# Altium PCB UmTRXv21.PcbDoc (part 15 of 19)
Units mm, origin at the board's own origin, x right, y up, seen from the top; angles counter-clockwise.
Board outline 159.5 x 99.5 mm, 6 copper layers (Top Layer, GND, MidLayer1, Mid-Layer 2, InternalPlane2, Bottom Layer), stack 1.526 mm thick; 716 components, 578 nets, 2850 pads, 1402 vias.
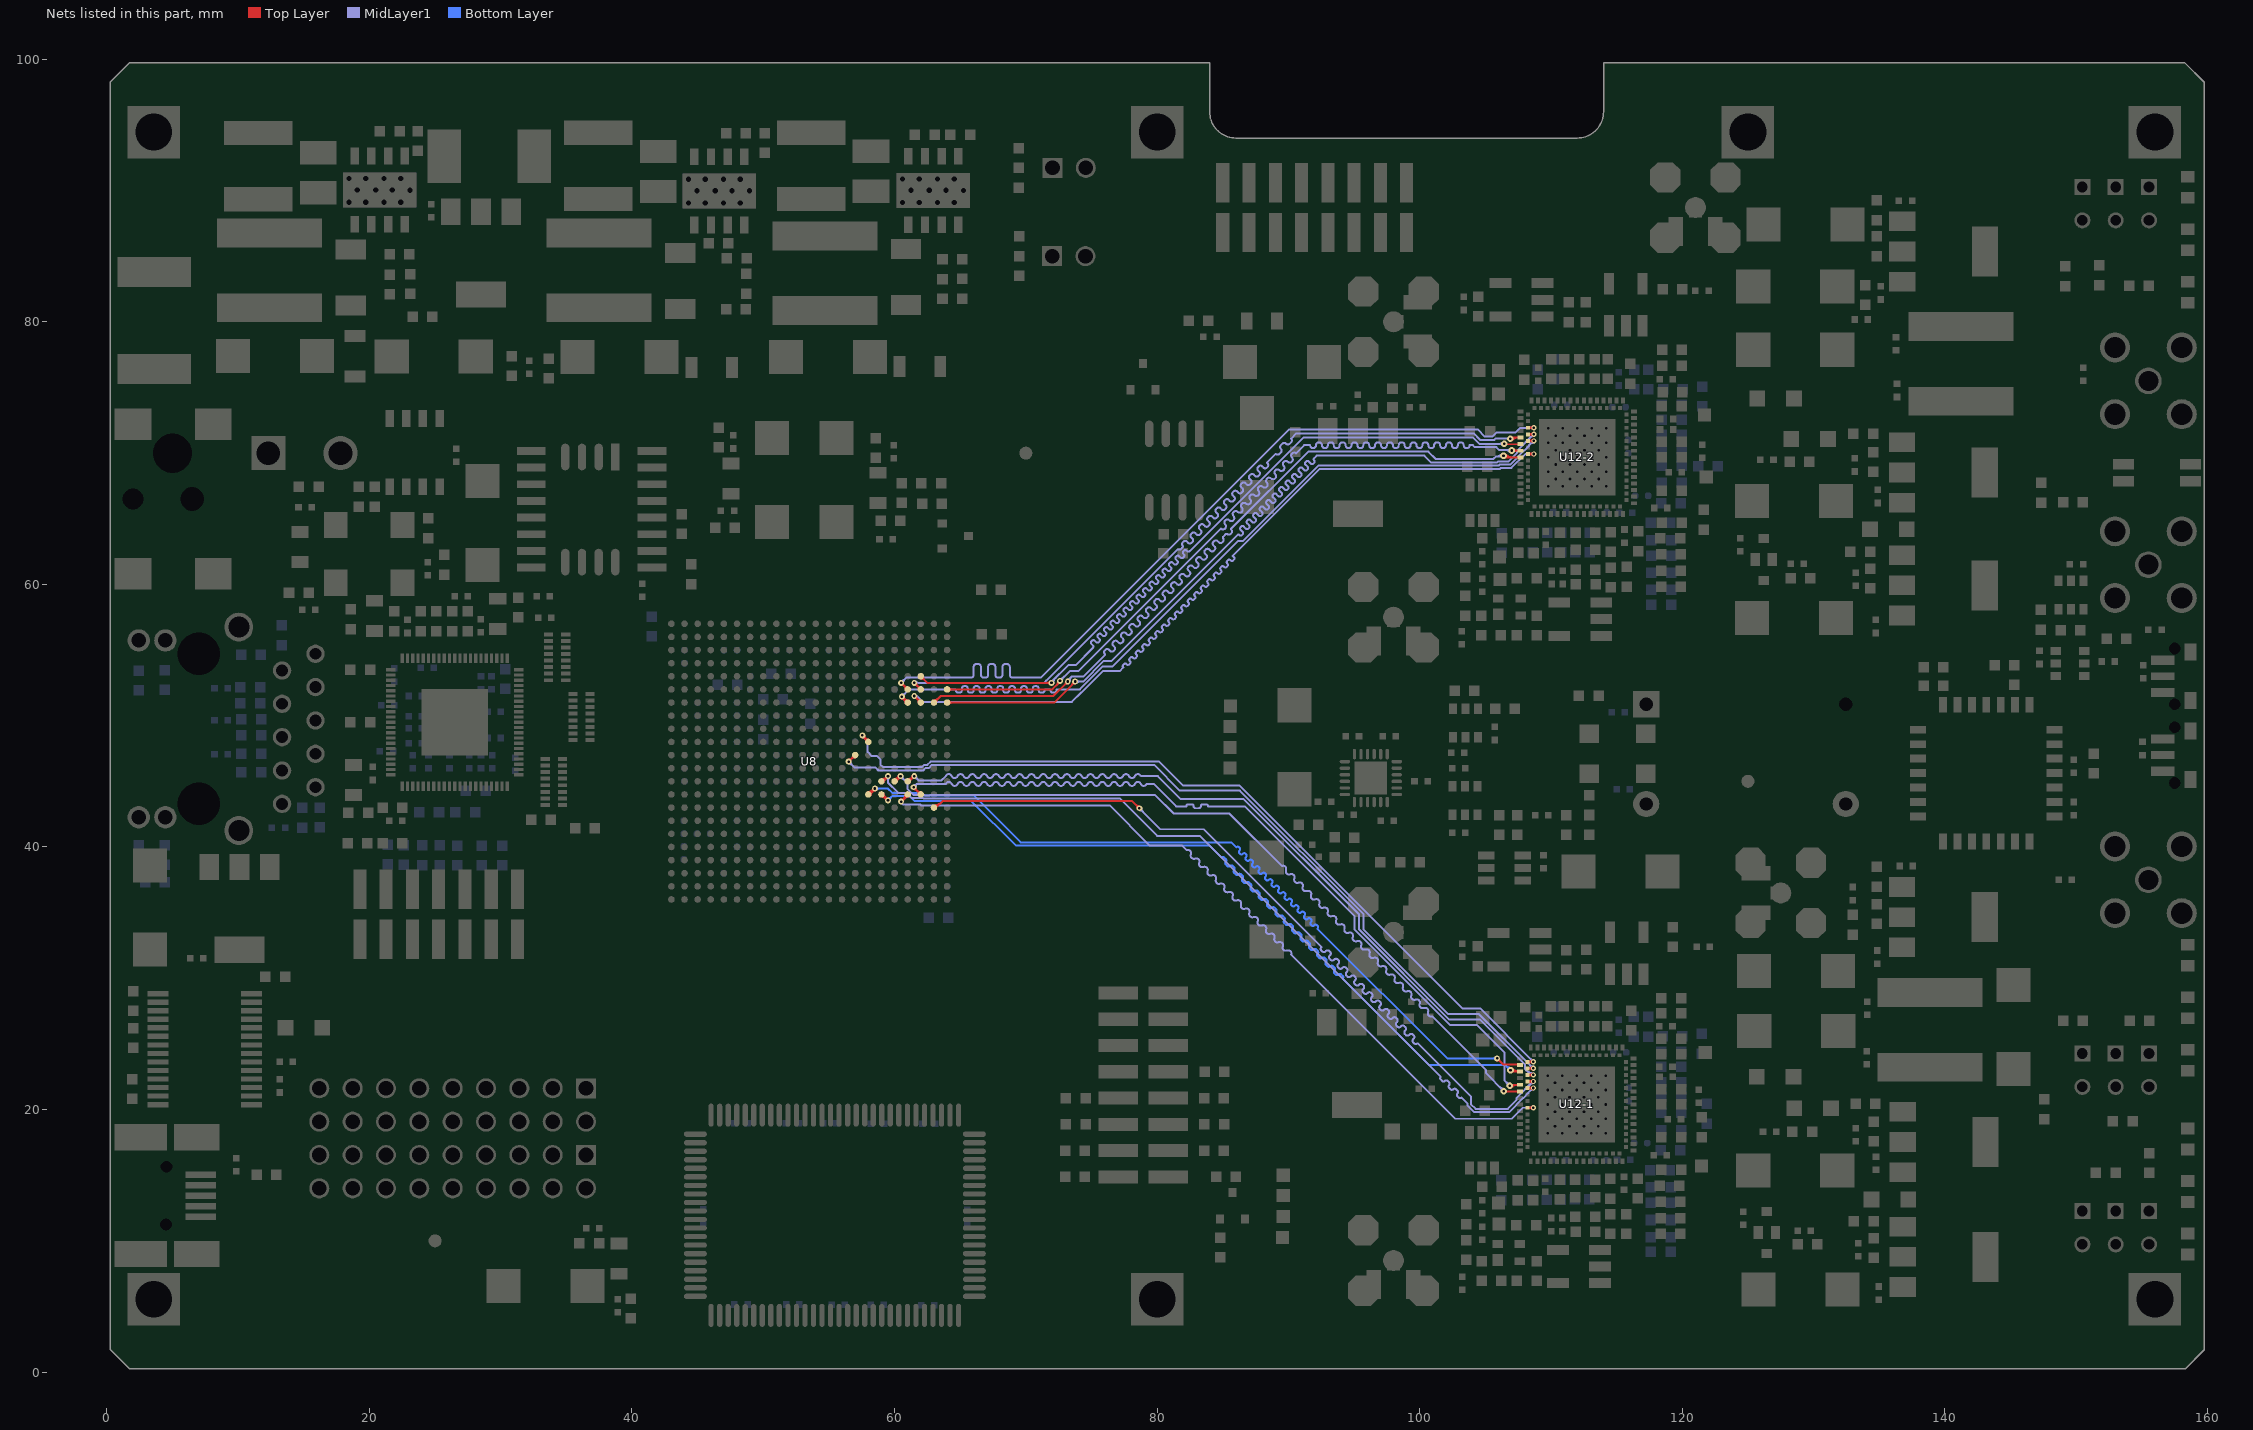
[diagram p19: the nets of this part, all layers, seen from the top]

## Via types
v1: diameter 0.45, hole 0.2, Top Layer to Bottom Layer, tented both sides, 440 vias
v2: diameter 0.5, hole 0.2, Top Layer to Bottom Layer, tented both sides, 423 vias
v3: diameter 0.7, hole 0.3, Top Layer to Bottom Layer, tented both sides, 257 vias
v4: diameter 0.4, hole 0.2, Top Layer to Bottom Layer, tented both sides, 197 vias
v5: diameter 0.8, hole 0.3, Top Layer to Bottom Layer, tented both sides, 63 vias
v6: diameter 0.6, hole 0.25, Top Layer to Bottom Layer, tented both sides, 16 vias
v7: diameter 0.6, hole 0.3, Top Layer to Bottom Layer, tented both sides, 4 vias
v8: diameter 1, hole 0.5, Top Layer to Bottom Layer, tented both sides, 2 vias

## Nets (pads, with @x,y where several pads share a name; then routed paths per layer and width w, separated by ;. In a path a pad name is that pad's centre, name@x,y a point inside that pad or via, vN(x,y) a via of type N, cw(c..) or ccw(c..) an arc to the next point about the centre after c; other vN are vias at no path point) (continued)
RX1D3: U8.K6 U12-1.10 | length 67
  Top Layer w0.15: U8.K6@59,45 59.1,45 v1(59.5,45.4) ; U8.K6@59,45.175 ccw(c59,45.839) v1@59.469,45.369 ; U8.K6@59.001,45.025 ccw(c59.015,45.302) 59.255,45.163 ; U8.K6@59.045,45.169 ccw(c59.152,45.568) 59.359,45.21 ; U8.K6@59.081,45.155 ccw(c59.152,45.29) 59.284,45.214 ; U8.K6@59.094,45.148 ccw(c59.172,45.272) 59.245,45.145 ccw(c59.316,45.022) U8.K6@59.175,45.012 ; U8.K6@59.169,44.955 cw(c59.586,44.843) v1@59.37,45.217 ; U8.K6@59.175,45 cw(c59.356,45) 59.228,45.128 ; v1@59.35,45.4 cw(c58.988,45.4) 59.244,45.144 cw(c59.5,44.888) v1@59.5,45.25
  Top Layer w0.2: U12-1.10@108.207,21.638 v4@108.632,21.638 ; v4@108.586,21.567 ccw(c108.416,21.397) 108.416,21.638 ccw(c108.416,21.879) v4@108.586,21.709
  MidLayer1 w0.15: v1@59.394,45.294 cw(c59.138,45.038) 59.5,45.038 cw(c59.862,45.038) v1@59.606,45.294 ; v1(59.5,45.4) 59.5,44.899 60.274,44.125 60.92,44.125 61.32,43.725 62.17,43.725 62.22,43.675 62.78,43.675 62.805,43.7 77.15,43.7 80,40.85 83.25,40.85 101.6,22.5 ccw(c101.706,22.394) 101.6,22.288 101.706,22.182 ccw(c101.812,22.288) 101.918,22.182 cw(c102.024,22.076) 102.13,22.182 102.236,22.076 cw(c102.13,21.97) 102.236,21.864 ccw(c102.342,21.758) 102.236,21.652 102.342,21.545 ccw(c102.448,21.652) 102.555,21.545 cw(c102.661,21.439) 102.767,21.545 102.873,21.439 cw(c102.767,21.333) 102.873,21.227 ccw(c102.979,21.121) 102.873,21.015 102.979,20.909 ccw(c103.085,21.015) 103.191,20.909 103.643,20.457 103.643,20.304 104.145,19.801 106.808,19.801 107.895,20.888 107.907,20.888 108.282,21.263 ; 108.282,21.293 108.627,21.638 v4(108.657,21.638) ; 108.392,21.403 cw(c108.657,21.138) v4@108.657,21.513 ; 108.465,21.476 ccw(c108.303,21.638) v4@108.532,21.638
RX1D4: U8.K5 U12-1.11 | length 66.4
  Top Layer w0.15: U8.K5@59.988,45.175 ccw(c59.959,45.585) v1@60.316,45.379 ; U8.K5@60,45 60.45,45.45 v1(60.45,45.4) ; U8.K5@60,45.175 ccw(c60,45.597) 60.299,45.299 ccw(c60.597,45) U8.K5@60.175,45 ; U8.K5@60.034,45.172 ccw(c60.074,45.375) 60.254,45.271 ; U8.K5@60.045,45.169 ccw(c60.12,45.446) 60.263,45.198 ; U8.K5@60.109,45.109 cw(c60.45,44.767) v1@60.45,45.25 ; U8.K5@60.174,44.982 cw(c60.518,44.946) v1@60.345,45.245 ; 60.229,45.229 ccw(c60.059,45.4) v1@60.3,45.4 ; v2(106.411,21.408) 106.436,21.383 107.627,21.383 U12-1.11@107.632,21.388
  MidLayer1 w0.15: v1@60.45,45.25 cw(c60.45,44.888) 60.706,45.144 cw(c60.962,45.4) v1@60.6,45.4 ; v1(60.45,45.4) 61,44.85 61,44.399 61.424,43.975 62.274,43.975 62.324,43.925 62.676,43.925 62.701,43.95 79.85,43.95 81.25,42.55 85.5,42.55 89.495,38.555 cw(c89.588,38.33) 89.813,38.237 ccw(c90.038,38.144) 90.131,37.919 cw(c90.224,37.693) 90.449,37.601 ccw(c90.675,37.508) 90.768,37.282 cw(c90.86,37.057) 91.086,36.964 ccw(c91.311,36.871) 91.404,36.646 cw(c91.497,36.421) 91.722,36.328 ccw(c91.948,36.235) 92.04,36.01 cw(c92.133,35.784) 92.359,35.691 ccw(c92.584,35.599) 92.677,35.373 cw(c92.77,35.148) 92.995,35.055 ccw(c93.22,34.962) 93.313,34.737 cw(c93.406,34.511) 93.631,34.419 ccw(c93.857,34.326) 93.95,34.1 cw(c94.042,33.875) 94.268,33.782 ccw(c94.493,33.689) 94.586,33.464 cw(c94.679,33.239) 94.904,33.146 ccw(c95.13,33.053) 95.222,32.828 cw(c95.315,32.602) 95.541,32.509 ccw(c95.766,32.417) 95.859,32.191 cw(c95.952,31.966) 96.177,31.873 ccw(c96.402,31.78) 96.495,31.555 cw(c96.588,31.329) 96.813,31.237 ccw(c97.039,31.144) 97.132,30.918 cw(c97.224,30.693) 97.45,30.6 ccw(c97.675,30.507) 97.768,30.282 cw(c97.861,30.057) 98.086,29.964 ccw(c98.312,29.871) 98.404,29.646 cw(c98.497,29.42) 98.723,29.327 ccw(c98.948,29.235) 99.041,29.009 cw(c99.134,28.784) 99.359,28.691 ccw(c99.584,28.598) 99.677,28.373 cw(c99.77,28.147) 99.995,28.055 ccw(c100.221,27.962) 100.314,27.736 cw(c100.406,27.511) 100.632,27.418 ccw(c100.857,27.325) 100.95,27.1 105.05,23 105.05,22.769 v2(106.411,21.408) ; v2@106.236,21.408 ccw(c105.814,21.408) 106.112,21.707 ccw(c106.411,22.006) v2@106.411,21.583
RX1D5: U8.H2 U12-1.8 | length 65.9
  Top Layer w0.15: U8.H2@63,43 63.15,43 63.65,43.5 78.1,43.5 v1(78.65,42.95) ; U8.H2@63,43.025 ccw(c63,43.447) 63.299,43.149 ; U8.H2@63,43.175 ccw(c63,43.96) 63.555,43.405 ; v1@78.5,42.95 ccw(c78.138,42.95) 78.394,43.206 ccw(c78.65,43.462) v1@78.65,43.1
  Top Layer w0.2: U12-1.8@108.207,22.138 v4@108.632,22.138 ; v4@108.586,22.067 ccw(c108.416,21.897) 108.416,22.138 ccw(c108.416,22.379) v4@108.586,22.209
  MidLayer1 w0.15: v1@78.65,42.8 cw(c78.65,42.438) 78.906,42.694 cw(c79.162,42.95) v1@78.8,42.95 ; v1(78.65,42.95) 80.25,41.35 83.55,41.35 92.508,32.392 cw(c92.494,32.378) 92.508,32.363 ccw(c92.635,32.236) 92.508,32.109 92.572,32.045 ccw(c92.699,32.173) 92.826,32.045 92.841,32.059 92.855,32.074 cw(c92.982,31.946) 93.109,32.074 93.173,32.01 cw(c93.046,31.883) 93.173,31.755 93.159,31.741 93.145,31.727 ccw(c93.272,31.6) 93.145,31.473 93.208,31.409 ccw(c93.336,31.536) 93.463,31.409 93.477,31.423 93.491,31.437 cw(c93.618,31.31) 93.746,31.437 93.809,31.374 cw(c93.682,31.246) 93.809,31.119 93.795,31.105 93.781,31.091 ccw(c93.908,30.963) 93.781,30.836 93.845,30.773 ccw(c93.972,30.9) 94.099,30.773 94.113,30.787 94.127,30.801 cw(c94.255,30.674) 94.382,30.801 94.446,30.737 cw(c94.318,30.61) 94.446,30.483 94.432,30.468 94.417,30.454 ccw(c94.545,30.327) 94.417,30.2 94.481,30.136 ccw(c94.608,30.263) 94.736,30.136 94.75,30.15 94.764,30.164 cw(c94.891,30.037) 95.018,30.164 95.082,30.101 cw(c94.955,29.973) 95.082,29.846 95.068,29.832 95.054,29.818 ccw(c95.181,29.691) 95.054,29.563 95.117,29.5 ccw(c95.245,29.627) 95.372,29.5 95.386,29.514 95.4,29.528 cw(c95.528,29.401) 95.655,29.528 95.718,29.464 cw(c95.591,29.337) 95.718,29.21 95.704,29.196 95.69,29.182 ccw(c95.817,29.054) 95.69,28.927 95.754,28.863 ccw(c95.881,28.991) 96.008,28.863 96.023,28.877 96.037,28.892 cw(c96.164,28.764) 96.291,28.892 96.355,28.828 cw(c96.228,28.701) 96.355,28.573 96.341,28.559 96.327,28.545 ccw(c96.454,28.418) 96.327,28.291 96.39,28.227 ccw(c96.518,28.354) 96.645,28.227 96.659,28.241 96.673,28.255 cw(c96.8,28.128) 96.928,28.255 96.991,28.192 cw(c96.864,28.064) 96.991,27.937 96.977,27.923 96.963,27.909 ccw(c97.09,27.781) 96.963,27.654 97.027,27.591 ccw(c97.154,27.718) 97.281,27.591 97.295,27.605 97.309,27.619 cw(c97.437,27.492) 97.564,27.619 97.628,27.555 cw(c97.5,27.428) 97.628,27.301 97.614,27.286 97.599,27.272 ccw(c97.727,27.145) 97.599,27.018 97.663,26.954 ccw(c97.79,27.081) 97.918,26.954 97.932,26.968 97.946,26.982 cw(c98.073,26.855) 98.2,26.982 98.264,26.919 cw(c98.137,26.792) 98.264,26.664 98.25,26.65 98.236,26.636 ccw(c98.363,26.509) 98.236,26.381 98.299,26.318 ccw(c98.427,26.445) 98.554,26.318 98.568,26.332 98.582,26.346 cw(c98.71,26.219) 98.837,26.346 98.9,26.282 cw(c98.773,26.155) 98.9,26.028 98.886,26.014 98.872,26 ccw(c98.999,25.872) 98.872,25.745 98.936,25.681 ccw(c99.063,25.809) 99.19,25.681 99.205,25.695 99.219,25.71 cw(c99.346,25.582) 99.473,25.71 99.537,25.646 cw(c99.41,25.519) 99.537,25.391 99.523,25.377 99.509,25.363 ccw(c99.636,25.236) 99.509,25.109 99.572,25.045 ccw(c99.699,25.172) 99.827,25.045 cw(c99.841,25.031) 99.855,25.045 103.893,21.007 103.893,20.407 104.249,20.051 106.705,20.051 107.386,20.732 107.386,20.897 108.627,22.138 v4(108.657,22.138) ; 108.392,21.903 cw(c108.657,21.638) v4@108.657,22.013 ; 108.465,21.976 ccw(c108.303,22.138) v4@108.532,22.138
RX1D6: U8.J3 U12-1.9 | length 66.6
  Top Layer w0.15: v1@61.45,44.4 cw(c61.45,44.037) 61.706,44.294 ; v1(61.45,44.55) U8.J3@62,44 ; v1@61.6,44.55 ccw(c61.961,44.55) 61.706,44.294 ; U8.J3@61.825,44 ccw(c61.403,44) 61.701,44.299 ccw(c62,44.597) U8.J3@62,44.175 ; v2(106.861,21.808) 106.811,21.758 106.811,21.708 106.991,21.888 U12-1.9@107.632,21.888 ; v2@106.879,21.79 cw(c107.114,21.555) 107.114,21.888 ; v2@106.985,21.684 cw(c107.476,21.193) U12-1.9@107.476,21.888
  MidLayer1 w0.15: v1(61.45,44.55) 61.7,44.8 ; v1@61.452,44.7 ccw(c61.458,45.042) 61.7,44.8 ; v1@61.6,44.552 cw(c61.942,44.558) 61.7,44.8 ; v2@106.686,21.808 ccw(c106.264,21.808) 106.562,22.107 ccw(c106.861,22.406) v2@106.861,21.983 ; v2(106.861,21.808) 106.45,22.219 106.45,24.35 104.35,26.45 102.293,26.45 95.025,33.718 95.025,34.749 86.674,43.1 83.875,43.1 ccw(c83.725,43.1) 83.725,43.25 83.475,43.25 ccw(c83.475,43.1) 83.325,43.1 cw(c83.175,43.1) 83.175,42.95 82.925,42.95 cw(c82.925,43.1) 82.775,43.1 ccw(c82.625,43.1) 82.625,43.25 82.375,43.25 ccw(c82.375,43.1) 82.225,43.1 81.45,43.1 79.75,44.8 79.2,44.8 cw(c78.975,44.894) 78.75,44.8 ccw(c78.525,44.706) 78.3,44.8 cw(c78.075,44.894) 77.85,44.8 ccw(c77.625,44.706) 77.4,44.8 cw(c77.175,44.894) 76.95,44.8 ccw(c76.725,44.706) 76.5,44.8 cw(c76.275,44.894) 76.05,44.8 ccw(c75.825,44.706) 75.6,44.8 cw(c75.375,44.894) 75.15,44.8 ccw(c74.925,44.706) 74.7,44.8 cw(c74.475,44.894) 74.25,44.8 ccw(c74.025,44.706) 73.8,44.8 cw(c73.575,44.894) 73.35,44.8 ccw(c73.125,44.706) 72.9,44.8 cw(c72.675,44.894) 72.45,44.8 ccw(c72.225,44.706) 72,44.8 cw(c71.775,44.894) 71.55,44.8 ccw(c71.325,44.706) 71.1,44.8 cw(c70.875,44.894) 70.65,44.8 ccw(c70.425,44.706) 70.2,44.8 cw(c69.975,44.894) 69.75,44.8 ccw(c69.525,44.706) 69.3,44.8 cw(c69.075,44.894) 68.85,44.8 ccw(c68.625,44.706) 68.4,44.8 cw(c68.175,44.894) 67.95,44.8 ccw(c67.725,44.706) 67.5,44.8 cw(c67.275,44.894) 67.05,44.8 ccw(c66.825,44.706) 66.6,44.8 cw(c66.375,44.894) 66.15,44.8 ccw(c65.925,44.706) 65.7,44.8 cw(c65.475,44.894) 65.25,44.8 ccw(c65.025,44.706) 64.8,44.8 cw(c64.575,44.894) 64.35,44.8 ccw(c64.125,44.706) 63.9,44.8 61.7,44.8
RX1D7: U8.K4 U12-1.6 | length 66.6
  Top Layer w0.15: U8.K4@61,45 61.05,45 61.45,45.4 v1(61.5,45.4) ; U8.K4@61,45.175 ccw(c61,45.718) v1@61.384,45.334 ; U8.K4@61.045,45.169 ccw(c61.142,45.529) 61.328,45.206 ; U8.K4@61.159,45.109 cw(c61.5,44.767) v1@61.5,45.25 ; U8.K4@61.17,44.957 cw(c61.609,44.845) v1@61.382,45.238 ; U8.K4@61.175,45 cw(c61.477,45) 61.263,45.213 ; 61.279,45.229 ccw(c61.109,45.4) v1@61.35,45.4
  Top Layer w0.2: U12-1.6@108.207,22.638 v4@108.632,22.638 ; v4@108.586,22.567 ccw(c108.416,22.397) 108.416,22.638 ccw(c108.416,22.879) v4@108.586,22.709
  MidLayer1 w0.15: v1@61.5,45.25 cw(c61.5,44.888) 61.756,45.144 cw(c62.012,45.4) v1@61.65,45.4 ; v1(61.5,45.4) 61.825,45.075 63.575,45.075 63.9,45.4 cw(c64.125,45.306) 64.35,45.4 ccw(c64.575,45.494) 64.8,45.4 cw(c65.025,45.306) 65.25,45.4 ccw(c65.475,45.494) 65.7,45.4 cw(c65.925,45.306) 66.15,45.4 ccw(c66.375,45.494) 66.6,45.4 cw(c66.825,45.306) 67.05,45.4 ccw(c67.275,45.494) 67.5,45.4 cw(c67.725,45.306) 67.95,45.4 ccw(c68.175,45.494) 68.4,45.4 cw(c68.625,45.306) 68.85,45.4 ccw(c69.075,45.494) 69.3,45.4 cw(c69.525,45.306) 69.75,45.4 ccw(c69.975,45.494) 70.2,45.4 cw(c70.425,45.306) 70.65,45.4 ccw(c70.875,45.494) 71.1,45.4 cw(c71.325,45.306) 71.55,45.4 ccw(c71.775,45.494) 72,45.4 cw(c72.225,45.306) 72.45,45.4 ccw(c72.675,45.494) 72.9,45.4 cw(c73.125,45.306) 73.35,45.4 ccw(c73.575,45.494) 73.8,45.4 cw(c74.025,45.306) 74.25,45.4 ccw(c74.475,45.494) 74.7,45.4 cw(c74.925,45.306) 75.15,45.4 ccw(c75.375,45.494) 75.6,45.4 cw(c75.825,45.306) 76.05,45.4 ccw(c76.275,45.494) 76.5,45.4 cw(c76.725,45.306) 76.95,45.4 ccw(c77.175,45.494) 77.4,45.4 cw(c77.625,45.306) 77.85,45.4 ccw(c78.075,45.494) 78.3,45.4 cw(c78.525,45.306) 78.75,45.4 80.05,45.4 81.8,43.65 86.596,43.65 95.375,34.871 95.375,33.721 102.221,26.875 104.56,26.875 108,23.435 108,23.1 108.462,22.638 v4(108.657,22.638) ; 108.111,22.989 ccw(c108.657,23.536) v4@108.657,22.763 ; 108.367,22.733 ccw(c108.657,23.024) v4@108.657,22.613
RX1D8: U8.J6 U12-1.5 | length 68.3
  Top Layer w0.15: U8.J6@58.988,43.825 cw(c58.955,43.347) v1@59.371,43.587 ; U8.J6@58.998,43.975 cw(c58.978,43.685) 59.23,43.831 ; U8.J6@59,43.825 cw(c59,43.282) v1@59.384,43.666 ; U8.J6@59,44 59.05,44 v1(59.5,43.55) ; U8.J6@59.055,43.834 cw(c59.114,43.655) 59.277,43.749 ; U8.J6@59.17,44.043 ccw(c59.705,44.178) v1@59.429,43.699 ; U8.J6@59.174,43.979 ccw(c59.361,43.957) 59.267,43.793 ; U8.J6@59.175,44 ccw(c59.477,44) 59.263,43.787 ; v1@59.35,43.55 ccw(c58.988,43.55) 59.244,43.806 ccw(c59.5,44.062) v1@59.5,43.7 ; v2(106.911,23.008) 106.911,22.958 106.981,22.888 U12-1.5@107.632,22.888 ; v2@106.929,23.026 ccw(c107.261,23.358) 107.261,22.888 ; v2@107.035,23.132 ccw(c107.623,23.721) U12-1.5@107.623,22.888 ; U8.J6@59.045,43.831 cw(c59.114,43.575) 59.247,43.804 ccw(c59.114,43.575) U8.J6@59.045,43.831
  MidLayer1 w0.15: v2@106.886,22.983 v2(106.911,23.008)
  Bottom Layer w0.15: v1(59.5,43.55) 59.825,43.875 61.17,43.875 61.545,43.5 65.85,43.5 69.25,40.1 84,40.1 84.909,39.191 cw(c85.015,39.085) 85.121,39.191 85.227,39.085 cw(c85.121,38.979) 85.227,38.873 ccw(c85.333,38.767) 85.227,38.661 85.333,38.555 ccw(c85.439,38.661) 85.545,38.555 cw(c85.652,38.448) 85.758,38.555 85.864,38.448 cw(c85.758,38.342) 85.864,38.236 ccw(c85.97,38.13) 85.864,38.024 85.97,37.918 ccw(c86.076,38.024) 86.182,37.918 cw(c86.288,37.812) 86.394,37.918 86.5,37.812 cw(c86.394,37.706) 86.5,37.6 ccw(c86.606,37.494) 86.5,37.388 86.606,37.282 ccw(c86.712,37.388) 86.818,37.282 cw(c86.924,37.176) 87.03,37.282 87.136,37.176 cw(c87.03,37.07) 87.136,36.964 ccw(c87.243,36.857) 87.136,36.751 87.243,36.645 ccw(c87.349,36.751) 87.455,36.645 cw(c87.561,36.539) 87.667,36.645 87.773,36.539 cw(c87.667,36.433) 87.773,36.327 ccw(c87.879,36.221) 87.773,36.115 87.879,36.009 ccw(c87.985,36.115) 88.091,36.009 cw(c88.197,35.903) 88.303,36.009 88.409,35.903 cw(c88.303,35.797) 88.409,35.691 ccw(c88.515,35.585) 88.409,35.479 88.515,35.373 ccw(c88.621,35.479) 88.727,35.373 cw(c88.834,35.266) 88.94,35.373 89.046,35.266 cw(c88.94,35.16) 89.046,35.054 ccw(c89.152,34.948) 89.046,34.842 89.152,34.736 ccw(c89.258,34.842) 89.364,34.736 cw(c89.47,34.63) 89.576,34.736 89.682,34.63 cw(c89.576,34.524) 89.682,34.418 ccw(c89.788,34.312) 89.682,34.206 89.788,34.1 ccw(c89.894,34.206) 90,34.1 cw(c90.106,33.994) 90.212,34.1 90.318,33.994 cw(c90.212,33.888) 90.318,33.782 ccw(c90.425,33.675) 90.318,33.569 90.425,33.463 ccw(c90.531,33.569) 90.637,33.463 cw(c90.743,33.357) 90.849,33.463 90.955,33.357 cw(c90.849,33.251) 90.955,33.145 ccw(c91.061,33.039) 90.955,32.933 91.061,32.827 ccw(c91.167,32.933) 91.273,32.827 cw(c91.379,32.721) 91.485,32.827 91.591,32.721 cw(c91.485,32.615) 91.591,32.509 ccw(c91.697,32.403) 91.591,32.297 91.697,32.191 ccw(c91.803,32.297) 91.909,32.191 cw(c92.016,32.084) 92.122,32.191 92.228,32.084 cw(c92.122,31.978) 92.228,31.872 ccw(c92.334,31.766) 92.228,31.66 92.334,31.554 ccw(c92.44,31.66) 92.546,31.554 cw(c92.652,31.448) 92.758,31.554 92.864,31.448 cw(c92.758,31.342) 92.864,31.236 ccw(c92.97,31.13) 92.864,31.024 92.97,30.918 ccw(c93.076,31.024) 93.182,30.918 cw(c93.288,30.812) 93.394,30.918 93.5,30.812 cw(c93.394,30.706) 93.5,30.6 ccw(c93.606,30.494) 93.5,30.387 93.606,30.281 ccw(c93.713,30.387) 93.819,30.281 cw(c93.925,30.175) 94.031,30.281 94.137,30.175 cw(c94.031,30.069) 94.137,29.963 100.7,23.4 106.519,23.4 v2(106.911,23.008) ; v1@59.5,43.7 ccw(c59.5,44.062) 59.756,43.806 ccw(c60.012,43.55) v1@59.65,43.55 ; v2@106.736,23.008 ccw(c106.314,23.008) 106.612,23.307 ccw(c106.911,23.606) v2@106.911,23.183
RX1D9: U8.M8 U12-1.4 | length 66.7
  Top Layer w0.15: v1(56.5,46.5) U8.M8@57,47 ; v1@56.5,46.65 ccw(c56.5,47.012) 56.756,46.756 ccw(c57.012,46.5) v1@56.65,46.5 ; U8.M8@56.825,47 cw(c56.403,47) 56.701,46.701 cw(c57,46.403) U8.M8@57,46.825
  Top Layer w0.2: U12-1.4@108.207,23.138 v4@108.632,23.138 ; v4@108.586,23.067 ccw(c108.416,22.897) 108.416,23.138 ccw(c108.416,23.379) v4@108.586,23.209
  MidLayer1 w0.15: v1@56.5,46.35 cw(c56.5,45.988) 56.756,46.244 cw(c57.012,46.5) v1@56.65,46.5 ; v1(56.5,46.5) 56.95,46.05 58.551,46.05 58.776,45.825 62.175,45.825 62.35,46 62.596,46 62.846,46.25 79.775,46.25 81.725,44.3 86.3,44.3 95.7,34.9 95.7,33.75 102.175,27.275 104.514,27.275 108.25,23.539 108.25,23.515 108.627,23.138 v4(108.657,23.138) ; 108.392,23.373 ccw(c108.657,23.638) v4@108.657,23.263 ; 108.465,23.3 cw(c108.303,23.138) v4@108.532,23.138
RX1D10: U8.J7 U12-1.3 | length 68.1
  Top Layer w0.15: U8.J7@57.988,44.175 ccw(c57.955,44.653) v1@58.371,44.413 ; U8.J7@57.998,44.025 ccw(c57.978,44.315) 58.23,44.169 ; U8.J7@58,44 58.05,44 v1(58.5,44.45) ; U8.J7@58,44.175 ccw(c58,44.718) v1@58.384,44.334 ; U8.J7@58.055,44.166 ccw(c58.114,44.345) 58.277,44.251 ; U8.J7@58.17,43.957 cw(c58.705,43.822) v1@58.429,44.301 ; U8.J7@58.174,44.021 cw(c58.361,44.043) 58.267,44.207 ; U8.J7@58.175,44 cw(c58.477,44) 58.263,44.213 ; v1@58.35,44.45 cw(c57.988,44.45) 58.244,44.194 cw(c58.5,43.938) v1@58.5,44.3 ; v1@105.9,23.75 cw(c105.9,23.388) 106.156,23.644 cw(c106.412,23.9) v1@106.05,23.9 ; v1(105.9,23.9) 106.367,23.433 107.587,23.433 U12-1.3@107.632,23.388 ; U8.J7@58.045,44.169 ccw(c58.114,44.425) 58.247,44.196 cw(c58.114,44.425) U8.J7@58.045,44.169
  Bottom Layer w0.15: v1(58.5,44.45) 59.5,44.45 59.825,44.125 61.274,44.125 61.626,44.125 61.725,44.125 61.925,43.925 66.025,43.925 69.6,40.35 85.65,40.35 86.024,39.976 86.031,39.983 cw(c86.13,39.884) 86.229,39.983 86.278,39.934 cw(c86.179,39.835) 86.278,39.736 86.271,39.729 86.264,39.722 ccw(c86.363,39.623) 86.264,39.524 86.314,39.474 ccw(c86.413,39.573) 86.512,39.474 86.519,39.481 86.526,39.488 cw(c86.625,39.389) 86.724,39.488 86.773,39.439 cw(c86.674,39.34) 86.773,39.241 86.766,39.234 86.759,39.227 ccw(c86.858,39.128) 86.759,39.029 86.809,38.979 ccw(c86.908,39.078) 87.007,38.979 87.014,38.986 87.021,38.993 cw(c87.12,38.894) 87.219,38.993 87.268,38.944 cw(c87.169,38.845) 87.268,38.746 87.261,38.739 87.254,38.732 ccw(c87.353,38.633) 87.254,38.534 87.304,38.484 ccw(c87.403,38.583) 87.502,38.484 87.509,38.491 87.516,38.498 cw(c87.615,38.399) 87.714,38.498 87.763,38.449 cw(c87.664,38.35) 87.763,38.251 87.749,38.237 ccw(c87.848,38.138) 87.749,38.039 87.799,37.989 ccw(c87.898,38.088) 87.997,37.989 88.004,37.996 88.011,38.003 cw(c88.11,37.904) 88.209,38.003 88.258,37.954 cw(c88.159,37.855) 88.258,37.756 88.251,37.749 88.244,37.742 ccw(c88.343,37.643) 88.244,37.544 88.294,37.494 ccw(c88.393,37.593) 88.492,37.494 88.499,37.501 88.506,37.508 cw(c88.605,37.409) 88.704,37.508 88.753,37.459 cw(c88.654,37.36) 88.753,37.261 88.746,37.254 88.739,37.247 ccw(c88.838,37.148) 88.739,37.049 88.789,36.999 ccw(c88.888,37.098) 88.987,36.999 88.994,37.006 89.001,37.013 cw(c89.1,36.914) 89.199,37.013 89.248,36.964 cw(c89.149,36.865) 89.248,36.766 89.241,36.759 89.234,36.752 ccw(c89.333,36.653) 89.234,36.554 89.283,36.504 ccw(c89.382,36.603) 89.481,36.504 89.489,36.511 89.496,36.519 cw(c89.595,36.42) 89.694,36.519 89.743,36.469 cw(c89.644,36.37) 89.743,36.271 89.736,36.264 89.729,36.257 ccw(c89.828,36.158) 89.729,36.059 89.778,36.009 ccw(c89.877,36.108) 89.976,36.009 89.991,36.024 cw(c90.09,35.925) 90.189,36.024 90.238,35.974 cw(c90.139,35.875) 90.238,35.776 90.231,35.769 90.224,35.762 ccw(c90.323,35.663) 90.224,35.564 90.273,35.514 ccw(c90.372,35.613) 90.471,35.514 90.479,35.521 90.486,35.529 cw(c90.585,35.43) 90.684,35.529 90.733,35.479 cw(c90.634,35.38) 90.733,35.281 90.726,35.274 90.719,35.267 ccw(c90.818,35.168) 90.719,35.069 90.768,35.019 ccw(c90.867,35.118) 90.966,35.019 90.973,35.027 90.981,35.034 cw(c91.08,34.935) 91.179,35.034 91.228,34.984 cw(c91.129,34.885) 91.228,34.786 91.221,34.779 91.214,34.772 ccw(c91.313,34.673) 91.214,34.574 91.263,34.524 ccw(c91.362,34.623) 91.461,34.524 91.468,34.532 91.476,34.539 cw(c91.575,34.44) 91.674,34.539 91.723,34.489 cw(c91.624,34.39) 91.723,34.291 91.716,34.284 91.709,34.277 ccw(c91.808,34.178) 91.709,34.079 91.758,34.03 ccw(c91.857,34.128) 91.956,34.029 91.963,34.037 91.97,34.044 cw(c92.069,33.945) 92.168,34.044 92.218,33.994 cw(c92.119,33.895) 92.218,33.796 92.211,33.789 102.1,23.9 v1(105.9,23.9) ; v1@58.606,44.344 cw(c58.862,44.088) 58.862,44.45 cw(c58.862,44.812) v1@58.606,44.556 ; v1@105.794,23.794 ccw(c105.538,23.538) 105.538,23.9 ccw(c105.538,24.262) v1@105.794,24.006